# KiCad board register-motherboard - Copy.kicad_pcb (continued)
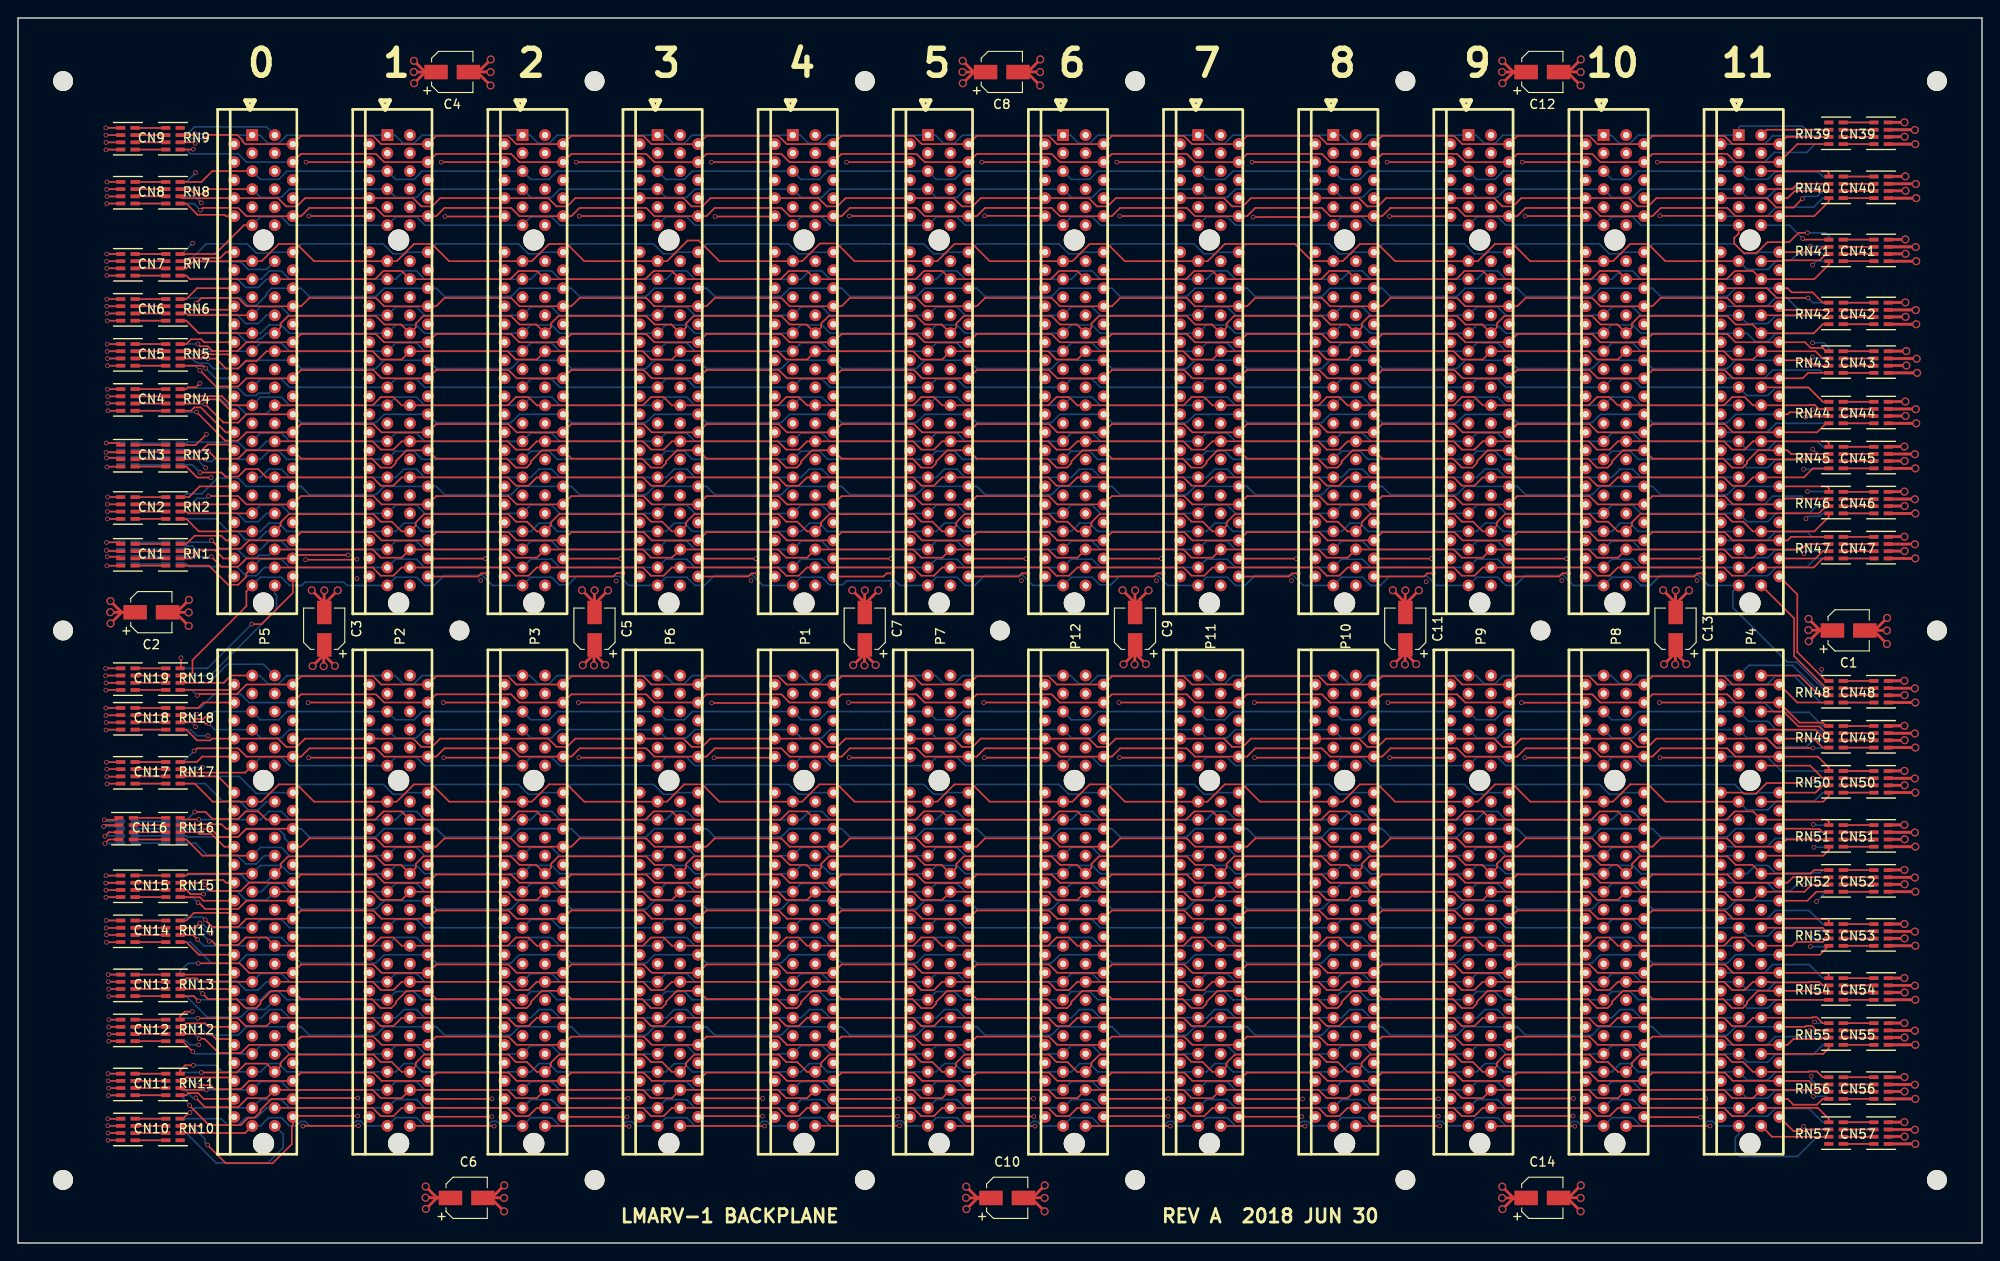
[diagram p0: board, top side]
## Routing (per net, layer and track width the routed paths; a pad name or vN(x,y) marks a point on that pad's centre or on a via; arc(x,y) is an arc through that point) (continued)
/rs2a[2]: length 192.7
  Top w0.178: P5.145 39.36,75 40.27,74.08 41.66,74.08 42.58,75 P2.145 54.36,75 55.27,74.08 56.66,74.08 57.58,75 P3.145 69.36,75 70.27,74.08 71.66,74.08 72.58,75 P6.145 84.36,75 85.27,74.08 86.66,74.08 87.58,75 P1.145 99.36,75 100.27,74.08 101.66,74.08 102.58,75 P7.145 114.36,75 115.27,74.08 116.66,74.08 117.58,75 P12.145 129.36,75 130.27,74.08 131.66,74.08 132.58,75 P11.145 144.36,75 145.27,74.08 146.66,74.08 147.58,75 P10.145 159.36,75 160.27,74.08 161.66,74.08 162.58,75 P9.145 174.36,75 175.27,74.08 176.66,74.08 177.58,75 P8.145 189.36,75 190.27,74.08 191.66,74.08 192.58,75 P4.145 199.32,75 200.32,76 RN47.8
  Bottom w0.178: RN20.8 18.68,75.4 18.99,75.08 24.27,75.08 25.27,74.08 26.44,74.08 27.36,75 P5.145
/rs2a[3]: length 204.1
  Top w0.178: P3.144 60.52,75.98 v1(66.9,75.98) ; P6.144 75.52,75.98 v1(81.9,75.98) ; P1.144 90.52,75.98 v1(96.9,75.98) ; v1(111.9,75.98) 105.52,75.98 P7.144 ; v1(126.9,75.98) 120.52,75.98 P12.144 ; v1(141.9,75.98) 135.52,75.98 P11.144 ; v1(156.9,75.98) 150.52,75.98 P10.144 ; v1(171.9,75.98) 165.52,75.98 P9.144 ; v1(186.9,75.98) 180.52,75.98 P8.144 ; v1(21.46,76.19) 22.57,75.08 24.44,75.08 25.36,76 P5.144 30.88,76.38 v1(36.65,76.38) ; RN47.7 200.32,76.8 199.52,76 P4.144 ; v1(51.9,75.98) 45.52,75.98 P2.144
  Vcc3.Cu w0.178: P3.144 59.85,76.65 59.85,77.01 58.94,77.92 55.27,77.92 54.44,77.08 53,77.08 v1(51.9,75.98) ; P6.144 74.85,76.65 74.85,77.01 73.94,77.92 70.27,77.92 69.44,77.08 68,77.08 v1(66.9,75.98) ; P1.144 89.85,76.65 89.85,77.01 88.94,77.92 85.27,77.92 84.44,77.08 83,77.08 v1(81.9,75.98) ; P10.144 149.85,76.65 149.85,77.01 148.94,77.92 145.27,77.92 144.44,77.08 143,77.08 v1(141.9,75.98) ; P7.144 104.85,76.65 104.85,77.01 103.94,77.92 100.27,77.92 99.44,77.08 98,77.08 v1(96.9,75.98) ; P11.144 134.85,76.65 134.85,77.01 133.94,77.92 130.27,77.92 129.44,77.08 128,77.08 v1(126.9,75.98) ; P12.144 119.85,76.65 119.85,77.01 118.94,77.92 115.27,77.92 114.44,77.08 113,77.08 v1(111.9,75.98) ; P4.144 194.85,76.65 194.85,77.01 193.94,77.92 190.27,77.92 189.44,77.08 188,77.08 v1(186.9,75.98) ; P8.144 179.85,76.65 179.85,77.01 178.94,77.92 175.27,77.92 174.44,77.08 173,77.08 v1(171.9,75.98) ; P9.144 164.85,76.65 164.85,77.01 163.94,77.92 160.27,77.92 159.44,77.08 158,77.08 v1(156.9,75.98) ; P2.144 44.85,76.65 44.85,77.01 43.94,77.92 40.27,77.92 39.44,77.08 37.35,77.08 v1(36.65,76.38)
  Bottom w0.178: v1(21.46,76.19) 18.01,76.19 RN20.7
/rs2a[4]: length 192.7
  Top w0.178: RN47.6 198.53,77.6 197.93,77 P4.143 192.58,76.08 190.27,76.08 189.36,77 P8.143 177.58,76.08 175.27,76.08 174.36,77 P9.143 162.58,76.08 160.27,76.08 159.36,77 P10.143 147.58,76.08 145.27,76.08 144.36,77 P11.143 132.58,76.08 130.27,76.08 129.36,77 P12.143 117.58,76.08 115.27,76.08 114.36,77 P7.143 102.58,76.08 100.27,76.08 99.36,77 P1.143 87.58,76.08 85.27,76.08 84.36,77 P6.143 72.58,76.08 70.27,76.08 69.36,77 P3.143 57.58,76.08 55.27,76.08 54.36,77 P2.143 42.58,76.08 40.27,76.08 39.36,77 P5.143
  Bottom w0.178: RN20.6 18.3,77 18.68,77.38 19.37,77.38 19.75,77 24.36,77 25.27,76.08 26.44,76.08 26.71,76.35 27.85,76.35 P5.143
/~{alu_oe}: length 192.9
  Top w0.178: v1(20.11,22.68) 20.69,22.68 22.29,21.08 24.73,21.08 25.64,22 P5.187 31.42,22.92 39.44,22.92 40.36,22 P2.187 46.42,22.92 54.44,22.92 55.36,22 P3.187 61.42,22.92 69.44,22.92 70.36,22 P6.187 76.42,22.92 84.44,22.92 85.36,22 P1.187 91.42,22.92 99.44,22.92 100.36,22 P7.187 106.42,22.92 114.44,22.92 115.36,22 P12.187 121.42,22.92 129.44,22.92 130.36,22 P11.187 136.42,22.92 144.44,22.92 145.36,22 P10.187 151.42,22.92 159.44,22.92 160.36,22 P9.187 166.42,22.92 174.44,22.92 175.36,22 P8.187 181.42,22.92 189.44,22.92 190.36,22 P4.187 196.42,22 197.07,22.65 200.17,22.65 200.32,22.8 RN55.7
  Bottom w0.178: RN31.7 19.58,23.2 v1(20.11,22.68)
/~{BOOT_ALU_EN}: length 206.1
  Top w0.178: RN56.8 200.32,16 199.68,15.36 197.06,15.36 196.42,16 P4.193 ; P11.193 135.51,15.99 v1(142.57,15.99) ; P9.193 165.54,16.04 v1(172.64,16.04) ; P12.193 120.51,16.01 v1(127.69,16.01) ; v1(157.65,16) P10.193 ; v1(112.72,16.04) 105.54,16.04 P7.193 ; P3.193 60.56,16.06 v1(67.71,16.06) ; v1(187.34,16) P8.193 ; v1(52.61,16) P2.193 ; v1(37.71,16.09) 30.59,16.09 P5.193 28.14,16 26.92,14.77 26.92,14.56 26.27,13.92 25.56,13.92 24.73,13.08 21.21,13.08 19.04,15.25 v1(19.04,15.26) ; v1(97.71,16) P1.193 ; v1(82.66,16.05) 75.55,16.05 P6.193
  Vcc3.Cu w0.178: P2.193 44.85,16.65 44.85,17.01 43.94,17.92 40.27,17.92 39.44,17.08 38.73,17.08 37.73,16.09 v1(37.71,16.09) ; P3.193 59.85,16.65 59.85,17.01 58.94,17.92 55.27,17.92 54.44,17.08 53.69,17.08 v1(52.61,16) ; P6.193 74.85,16.65 74.85,17.01 73.94,17.92 70.27,17.92 69.44,17.08 68.73,17.08 v1(67.71,16.06) ; P1.193 89.85,16.65 89.85,17.01 88.94,17.92 85.27,17.92 84.44,17.08 83.69,17.08 v1(82.66,16.05) ; P7.193 104.85,16.65 104.85,17.01 103.94,17.92 100.27,17.92 99.44,17.08 98.73,17.08 97.71,16.07 v1(97.71,16) ; P12.193 119.85,16.65 119.85,17.01 118.94,17.92 115.27,17.92 114.44,17.08 113.76,17.08 v1(112.72,16.04) ; P10.193 149.85,16.65 149.85,17.01 148.94,17.92 145.27,17.92 144.44,17.08 143.66,17.08 v1(142.57,15.99) ; P11.193 134.85,16.65 134.85,17.01 133.94,17.92 130.27,17.92 129.44,17.08 128.73,17.08 127.69,16.05 v1(127.69,16.01) ; P9.193 164.85,16.65 164.85,17.01 163.94,17.92 160.27,17.92 159.44,17.08 158.73,17.08 157.65,16.01 v1(157.65,16) ; P4.193 194.85,16.65 194.85,17.01 193.94,17.92 190.27,17.92 189.44,17.08 188.42,17.08 v1(187.34,16) ; P8.193 179.85,16.65 179.85,17.01 178.94,17.92 175.27,17.92 174.44,17.08 173.68,17.08 v1(172.64,16.04)
  Bottom w0.178: v1(19.04,15.26) 19.04,15.36 RN30.8
/~{BOOT_RST}: length 209.3
  Top w0.178: P10.195 150.57,14.07 v1(157.64,14.07) ; v1(97.61,14.07) 90.57,14.07 P1.195 ; RN57.6 198.6,12.6 198.43,12.43 197.07,12.43 P4.195 ; v1(142.5,14.02) 135.52,14.02 P11.195 ; P2.195 45.52,14.02 v1(52.59,14.02) ; v1(172.61,14.09) 165.59,14.09 P9.195 ; v1(186.76,13.97) 180.53,13.97 P8.195 ; v1(112.76,14.04) 105.54,14.04 P7.195 ; v1(82.63,14.08) 75.58,14.08 P6.195 ; v1(21.03,10.88) 23.06,8.85 28.26,8.85 30.39,10.98 30.39,12.97 30.5,13.08 P5.195 30.61,14.11 v1(37.69,14.11) ; v1(127.65,14.08) 120.58,14.08 P12.195 ; v1(67.59,14) P3.195
  Vcc3.Cu w0.178: P2.195 44.58,14.92 44.58,15.27 43.94,15.92 40.27,15.92 39.44,15.08 38.73,15.08 37.75,14.11 v1(37.69,14.11) ; P3.195 59.58,14.92 59.58,15.27 58.94,15.92 55.27,15.92 54.44,15.08 53.65,15.08 v1(52.59,14.02) ; P1.195 89.58,14.92 89.58,15.27 88.94,15.92 85.27,15.92 84.44,15.08 83.63,15.08 v1(82.63,14.08) ; P6.195 74.58,14.92 74.58,15.27 73.94,15.92 70.27,15.92 69.44,15.08 68.67,15.08 v1(67.59,14) ; P12.195 119.58,14.92 119.58,15.27 118.94,15.92 115.27,15.92 114.44,15.08 113.73,15.08 112.76,14.12 v1(112.76,14.04) ; P7.195 104.58,14.92 104.58,15.27 103.94,15.92 100.27,15.92 99.44,15.08 98.62,15.08 v1(97.61,14.07) ; P10.195 149.58,14.92 149.58,15.27 148.94,15.92 145.27,15.92 144.44,15.08 143.56,15.08 v1(142.5,14.02) ; P11.195 134.58,14.92 134.58,15.27 133.94,15.92 130.27,15.92 129.44,15.08 128.65,15.08 v1(127.65,14.08) ; P9.195 164.58,14.92 164.58,15.27 163.94,15.92 160.27,15.92 159.44,15.08 158.65,15.08 v1(157.64,14.07) ; P4.195 194.58,14.92 194.58,15.27 193.94,15.92 190.27,15.92 189.44,15.08 187.87,15.08 v1(186.76,13.97) ; P8.195 179.58,14.92 179.58,15.27 178.94,15.92 175.27,15.92 174.44,15.08 173.6,15.08 v1(172.61,14.09)
  Bottom w0.178: RN29.6 19.29,13 20.78,11.51 20.78,11.13 v1(21.03,10.88)
/~{BOOT_WR}: length 197.8
  Top w0.178: P1.196 88.52,13.02 v1(97.86,13.02) ; v1(112.89,12.98) 103.52,12.98 P7.196 ; v1(187.82,12.99) 178.51,12.99 P8.196 ; P4.196 194.7,11.8 RN57.7 ; v1(142.86,12.98) 133.52,12.98 P11.196 ; P6.196 73.51,12.99 v1(82.87,12.99) ; P2.196 52.83,13 v1(52.85,12.98) ; v1(172.81,12.97) 163.53,12.97 P9.196 ; v1(37.78,13.01) 31.65,13.01 v1(31.62,12.98) ; P10.196 148.51,12.99 v1(157.81,12.99) ; P3.196 67.8,13 v1(67.84,12.96) ; v1(127.91,12.98) 118.52,12.98 P12.196
  Vcc3.Cu w0.178: P2.196 42.58,13.92 40.27,13.92 39.36,13 37.79,13 v1(37.78,13.01) ; P1.196 87.58,13.92 85.27,13.92 84.36,13 82.88,13 v1(82.87,12.99) ; P7.196 102.58,13.92 100.27,13.92 99.36,13 97.88,13 v1(97.86,13.02) ; P12.196 117.58,13.92 115.27,13.92 114.36,13 112.91,13 v1(112.89,12.98) ; P10.196 147.58,13.92 145.27,13.92 144.36,13 142.88,13 v1(142.86,12.98) ; P11.196 132.58,13.92 130.27,13.92 129.36,13 127.93,13 v1(127.91,12.98) ; P9.196 162.58,13.92 160.27,13.92 159.36,13 157.82,13 v1(157.81,12.99) ; P4.196 192.58,13.92 190.27,13.92 189.36,13 187.83,13 v1(187.82,12.99) ; P8.196 177.58,13.92 175.27,13.92 174.36,13 172.84,13 v1(172.81,12.97) ; v1(31.62,12.98) 28.52,12.98 P5.196 ; v1(52.85,12.98) 54.34,12.98 55.27,13.92 57.58,13.92 P3.196 ; P6.196 72.58,13.92 70.27,13.92 69.32,12.96 v1(67.84,12.96)
  Bottom w0.178: RN29.7 18.68,12.2 21.99,8.89 27.73,8.89 29.43,10.59 29.43,12.07 P5.196
/~{rd_bhh}: length 193.3
  Top w0.178: RN43.6 200.32,98.2 199.52,99 P4.121 192.58,98.08 190.27,98.08 189.36,99 P8.121 177.58,98.08 175.27,98.08 174.36,99 P9.121 162.58,98.08 160.27,98.08 159.36,99 P10.121 147.58,98.08 145.27,98.08 144.36,99 P11.121 132.58,98.08 130.27,98.08 129.36,99 P12.121 117.58,98.08 115.27,98.08 114.36,99 P7.121 102.58,98.08 100.27,98.08 99.36,99 P1.121 87.58,98.08 85.27,98.08 84.36,99 P6.121 72.58,98.08 70.27,98.08 69.36,99 P3.121 57.58,98.08 55.27,98.08 54.36,99 P2.121 42.58,98.08 40.27,98.08 39.36,99 P5.121 27.58,99 26.5,97.92 25.27,97.92 24.44,97.08 23.09,97.08 21.98,98.19 v1(21.07,98.19)
  Bottom w0.178: v1(21.07,98.19) 19.79,98.19 18.98,99 RN24.6
/~{rd_bhl}: length 192.4
  Top w0.178: RN43.7 199.42,97.4 198.86,97.95 198.82,97.95 198.77,98 P4.122
  Bottom w0.178: P4.122 190.64,98 189.73,97.08 181.42,97.08 P8.122 175.64,98 174.73,97.08 166.42,97.08 P9.122 160.64,98 159.73,97.08 151.42,97.08 P10.122 145.64,98 144.73,97.08 136.42,97.08 P11.122 130.64,98 129.73,97.08 121.42,97.08 P12.122 115.64,98 114.73,97.08 106.42,97.08 P7.122 100.64,98 99.73,97.08 91.42,97.08 P1.122 85.64,98 84.73,97.08 76.42,97.08 P6.122 70.64,98 69.73,97.08 61.42,97.08 P3.122 55.64,98 54.73,97.08 46.42,97.08 P2.122 40.64,98 39.73,97.08 31.42,97.08 P5.122 25.36,98 24.44,97.08 21.69,97.08 21.1,97.67 19.97,97.67 19.8,97.83 19.64,97.83 19.28,98.2 RN24.7
/~{rd_blh}: length 193.1
  Top w0.178: P4.177 200,32 RN53.8
  Bottom w0.178: P4.177 190.64,32 189.73,31.08 181.42,31.08 P8.177 175.64,32 174.73,31.08 166.42,31.08 P9.177 160.64,32 159.73,31.08 151.42,31.08 P10.177 145.64,32 144.73,31.08 136.42,31.08 P11.177 130.64,32 129.73,31.08 121.42,31.08 P12.177 115.64,32 114.73,31.08 106.42,31.08 P7.177 100.64,32 99.73,31.08 91.42,31.08 P1.177 85.64,32 84.73,31.08 76.42,31.08 P6.177 70.64,32 69.73,31.08 61.42,31.08 P3.177 55.64,32 54.73,31.08 46.42,31.08 P2.177 40.64,32 39.73,31.08 31.42,31.08 P5.177 25.36,32 24.44,31.08 21.45,31.08 19.13,33.4 RN33.8
/~{rd_bll}: length 193
  Top w0.178: RN54.5 201,29.78 200.78,30 P4.179 190.36,30 189.44,30.92 181.42,30.92 P8.179 175.36,30 174.44,30.92 166.42,30.92 P9.179 160.36,30 159.44,30.92 151.42,30.92 P10.179 145.36,30 144.44,30.92 136.42,30.92 P11.179 130.36,30 129.44,30.92 121.42,30.92 P12.179 115.36,30 114.44,30.92 106.42,30.92 P7.179 100.36,30 99.44,30.92 91.42,30.92 P1.179 85.36,30 84.44,30.92 76.42,30.92 P6.179 70.36,30 69.44,30.92 61.42,30.92 P3.179 55.36,30 54.44,30.92 46.42,30.92 P2.179 40.36,30 39.44,30.92 31.42,30.92 P5.179 25.64,30 24.59,31.05 v1(20,31.05)
  Bottom w0.178: RN32.5 18,30.18 18.87,31.05 v1(20,31.05)
/~{rd_wr}: length 192.9
  Top w0.178: v1(20.19,96.87) 21.98,95.08 24.44,95.08 25.36,96 P5.124 31.42,96.92 39.44,96.92 40.36,96 P2.124 46.42,96.92 54.44,96.92 55.36,96 P3.124 61.42,96.92 69.44,96.92 70.36,96 P6.124 76.42,96.92 84.44,96.92 85.36,96 P1.124 91.42,96.92 99.44,96.92 100.36,96 P7.124 106.42,96.92 114.44,96.92 115.36,96 P12.124 121.42,96.92 129.44,96.92 130.36,96 P11.124 136.42,96.92 144.44,96.92 145.36,96 P10.124 151.42,96.92 159.44,96.92 160.36,96 P9.124 166.42,96.92 174.44,96.92 175.36,96 P8.124 181.42,96.92 189.44,96.92 190.36,96 P4.124 198.1,96 198.7,96.6 RN43.8
  Bottom w0.178: RN24.8 19.66,97.4 v1(20.19,96.87)
/~{rs1_bhh}: length 193.5
  Top w0.178: v1(19.82,92.25) 22.99,89.08 24.44,89.08 25.36,90 P5.130 31.42,90.92 39.44,90.92 40.36,90 P2.130 46.42,90.92 54.44,90.92 55.36,90 P3.130 61.42,90.92 69.44,90.92 70.36,90 P6.130 76.42,90.92 84.44,90.92 85.36,90 P1.130 91.42,90.92 99.44,90.92 100.36,90 P7.130 106.42,90.92 114.44,90.92 115.36,90 P12.130 121.42,90.92 129.44,90.92 130.36,90 P11.130 136.42,90.92 144.44,90.92 145.36,90 P10.130 151.42,90.92 159.44,90.92 160.36,90 P9.130 166.42,90.92 174.44,90.92 175.36,90 P8.130 181.42,90.92 189.44,90.92 190.36,90 P4.130 199.7,90 200.7,91 RN44.8
  Bottom w0.178: v1(19.82,92.25) 18.15,92.25 RN23.8
/~{rs1_bhl}: length 192.6
  Top w0.178: RN45.5 201,88.78 200.78,89 P4.131 192.58,89 191.66,88.08 190.27,88.08 189.36,89 P8.131 177.58,89 176.66,88.08 175.27,88.08 174.36,89 P9.131 162.58,89 161.66,88.08 160.27,88.08 159.36,89 P10.131 147.58,89 146.66,88.08 145.27,88.08 144.36,89 P11.131 132.58,89 131.66,88.08 130.27,88.08 129.36,89 P12.131 117.58,89 116.66,88.08 115.27,88.08 114.36,89 P7.131 102.58,89 101.66,88.08 100.27,88.08 99.36,89 P1.131 87.58,89 86.66,88.08 85.27,88.08 84.36,89 P6.131 72.58,89 71.66,88.08 70.27,88.08 69.36,89 P3.131 57.58,89 56.66,88.08 55.27,88.08 54.36,89 P2.131 42.58,89 41.66,88.08 40.27,88.08 39.36,89 P5.131
  Bottom w0.178: RN22.5 18.68,88.8 18.79,88.92 24.44,88.92 25.27,88.08 26.66,88.08 27.58,89 P5.131
/~{rs1_blh}: length 193.1
  Top w0.178: P4.182 RN54.8
  In2.Cu w0.178: P5.182 39.64,27 40.56,26.08 42.58,26.08 P2.182 54.64,27 55.56,26.08 57.58,26.08 P3.182 69.64,27 70.56,26.08 72.58,26.08 P6.182 84.64,27 85.56,26.08 87.58,26.08 P1.182 99.64,27 100.56,26.08 102.58,26.08 P7.182 114.64,27 115.56,26.08 117.58,26.08 P12.182 129.64,27 130.56,26.08 132.58,26.08 P11.182 144.64,27 145.56,26.08 147.58,26.08 P10.182 159.64,27 160.56,26.08 162.58,26.08 P9.182 174.64,27 175.56,26.08 177.58,26.08 P8.182 189.64,27 190.56,26.08 191.66,26.08 192.58,27 P4.182
  Bottom w0.178: RN32.8 18.68,27.4 20.99,25.08 24.73,25.08 25.56,25.92 27.42,25.92 P5.182
/~{rs1_bll}: length 192.5
  Top w0.178: v1(19.96,24.95) 24.41,24.95 25.27,24.08 27.58,24.08 P5.184 39.36,25 40.27,24.08 41.66,24.08 42.58,25 P2.184 54.36,25 55.27,24.08 56.66,24.08 57.58,25 P3.184 69.36,25 70.27,24.08 71.66,24.08 72.58,25 P6.184 84.36,25 85.27,24.08 86.66,24.08 87.58,25 P1.184 99.36,25 100.27,24.08 101.66,24.08 102.58,25 P7.184 114.36,25 115.27,24.08 116.66,24.08 117.58,25 P12.184 129.36,25 130.27,24.08 131.66,24.08 132.58,25 P11.184 144.36,25 145.27,24.08 146.66,24.08 147.58,25 P10.184 159.36,25 160.27,24.08 161.66,24.08 162.58,25 P9.184 174.36,25 175.27,24.08 176.66,24.08 177.58,25 P8.184 189.36,25 190.27,24.08 191.66,24.08 192.58,25 P4.184 199.1,25 199.16,25.07 199.66,25.07 200.32,24.4 RN55.5
  Bottom w0.178: v1(19.96,24.95) 18.15,24.95 RN31.5
/~{rs1_rd}: length 202.8
  Top w0.178: v1(21.11,87.94) 21.97,87.08 24.44,87.08 25.36,88 P5.132 31.42,87.08 39.27,87.08 40.27,86.08 41.44,86.08 41.92,86.56 41.92,86.77 43.14,88 P2.132 46.42,87.08 54.27,87.08 55.27,86.08 56.44,86.08 56.92,86.56 56.92,86.77 58.14,88 P3.132 61.42,87.08 69.27,87.08 70.27,86.08 71.44,86.08 71.92,86.56 71.92,86.77 73.14,88 P6.132 76.42,87.08 84.27,87.08 85.27,86.08 86.44,86.08 86.92,86.56 86.92,86.77 88.14,88 P1.132 91.42,87.08 99.27,87.08 100.27,86.08 101.44,86.08 101.92,86.56 101.92,86.77 103.14,88 P7.132 106.42,87.08 114.27,87.08 115.27,86.08 116.44,86.08 116.92,86.56 116.92,86.77 118.14,88 P12.132 121.42,87.08 129.27,87.08 130.27,86.08 131.44,86.08 131.92,86.56 131.92,86.77 133.14,88 P11.132 136.42,87.08 144.27,87.08 145.27,86.08 146.44,86.08 146.92,86.56 146.92,86.77 148.14,88 P10.132 151.42,87.08 159.27,87.08 160.27,86.08 161.44,86.08 161.92,86.56 161.92,86.77 163.14,88 P9.132 166.42,87.08 174.27,87.08 175.27,86.08 176.44,86.08 176.92,86.56 176.92,86.77 178.14,88 P8.132 181.42,87.08 189.27,87.08 190.27,86.08 191.44,86.08 191.92,86.56 191.92,86.77 193.14,88 P4.132 196.42,88 196.82,87.6 RN45.6
  Bottom w0.178: RN22.6 18.06,87.94 v1(21.11,87.94)
/~{rs2_bhh}: length 192.8
  Top w0.178: RN44.5 200.32,93.4 198.72,95 P4.125
  In2.Cu w0.178: P4.125 192.58,94.08 190.27,94.08 189.36,95 P8.125 177.58,94.08 175.27,94.08 174.36,95 P9.125 162.58,94.08 160.27,94.08 159.36,95 P10.125 147.58,94.08 145.27,94.08 144.36,95 P11.125 132.58,94.08 130.27,94.08 129.36,95 P12.125 117.58,94.08 115.27,94.08 114.36,95 P7.125 102.58,94.08 100.27,94.08 99.36,95 P1.125 87.58,94.08 85.27,94.08 84.36,95 P6.125 72.58,94.08 70.27,94.08 69.36,95 P3.125 57.58,94.08 55.27,94.08 54.36,95 P2.125 42.58,94.08 40.27,94.08 39.36,95 P5.125
  Bottom w0.178: P5.125 27.85,94.35 26.71,94.35 26.44,94.08 25.27,94.08 24.44,94.92 18.79,94.92 18.68,94.8 RN23.5
/~{rs2_bhl}: length 192.7
  Top w0.178: P5.127 39.36,93 40.27,93.92 41.66,93.92 42.58,93 P2.127 54.36,93 55.27,93.92 56.66,93.92 57.58,93 P3.127 69.36,93 70.27,93.92 71.66,93.92 72.58,93 P6.127 84.36,93 85.27,93.92 86.66,93.92 87.58,93 P1.127 99.36,93 100.27,93.92 101.66,93.92 102.58,93 P7.127 114.36,93 115.27,93.92 116.66,93.92 117.58,93 P12.127 129.36,93 130.27,93.92 131.66,93.92 132.58,93 P11.127 144.36,93 145.27,93.92 146.66,93.92 147.58,93 P10.127 159.36,93 160.27,93.92 161.66,93.92 162.58,93 P9.127 174.36,93 175.27,93.92 176.66,93.92 177.58,93 P8.127 189.36,93 190.27,93.92 191.66,93.92 192.58,93 P4.127 198.89,93 198.93,93.04 199.43,93.04 199.87,92.6 RN44.6
  Bottom w0.178: P5.127 27.58,92.08 25.27,92.08 24.27,93.08 23.07,93.08 22.15,94 RN23.6
/~{rs2_blh}: length 192.4
  Top w0.178: P5.180 39.36,29 40.27,28.08 41.66,28.08 42.58,29 P2.180 54.36,29 55.27,28.08 56.66,28.08 57.58,29 P3.180 69.36,29 70.27,28.08 71.66,28.08 72.58,29 P6.180 84.36,29 85.27,28.08 86.66,28.08 87.58,29 P1.180 99.36,29 100.27,28.08 101.66,28.08 102.58,29 P7.180 114.36,29 115.27,28.08 116.66,28.08 117.58,29 P12.180 129.36,29 130.27,28.08 131.66,28.08 132.58,29 P11.180 144.36,29 145.27,28.08 146.66,28.08 147.58,29 P10.180 159.36,29 160.27,28.08 161.66,28.08 162.58,29 P9.180 174.36,29 175.27,28.08 176.66,28.08 177.58,29 P8.180 189.36,29 190.27,28.08 191.66,28.08 192.58,29 P4.180 194.42,29 194.49,28.93 198.79,28.93 198.85,28.99 199.93,28.99 200.32,28.6 RN54.6
  Bottom w0.178: P5.180 27.58,29 26.66,28.08 25.27,28.08 24.27,29.08 18.08,29.08 RN32.6
/~{rs2_bll}: length 203.7
  Top w0.178: v1(20.49,27.68) 21.08,27.08 24.27,27.08 25.27,26.08 26.44,26.08 26.92,26.56 26.92,26.8 28.12,28 P5.181 31.42,27.08 39.27,27.08 40.27,26.08 41.44,26.08 41.92,26.56 41.92,26.77 43.14,28 P2.181 46.42,27.08 54.27,27.08 55.27,26.08 56.44,26.08 56.92,26.56 56.92,26.77 58.14,28 P3.181 61.42,27.08 69.27,27.08 70.27,26.08 71.44,26.08 71.92,26.56 71.92,26.77 73.14,28 P6.181 76.42,27.08 84.27,27.08 85.27,26.08 86.44,26.08 86.92,26.56 86.92,26.77 88.14,28 P1.181 91.42,27.08 99.27,27.08 100.27,26.08 101.44,26.08 101.92,26.56 101.92,26.77 103.14,28 P7.181 106.42,27.08 114.27,27.08 115.27,26.08 116.44,26.08 116.92,26.56 116.92,26.77 118.14,28 P12.181 121.42,27.08 129.27,27.08 130.27,26.08 131.44,26.08 131.92,26.56 131.92,26.77 133.14,28 P11.181 136.42,27.08 144.27,27.08 145.27,26.08 146.44,26.08 146.92,26.56 146.92,26.77 148.14,28 P10.181 151.42,27.08 159.27,27.08 160.27,26.08 161.44,26.08 161.92,26.56 161.92,26.77 163.14,28 P9.181 166.42,27.08 174.27,27.08 175.27,26.08 176.44,26.08 176.92,26.56 176.92,26.77 178.14,28 P8.181 181.42,27.08 189.27,27.08 190.27,26.08 191.44,26.08 191.92,26.56 191.92,26.77 193.14,28 P4.181 198.8,28 199,27.8 RN54.7